# Altium PCB DD2090_4CAM_FFC.PcbDoc (part 1 of 4)
Units mm, origin at the board's own origin, x right, y up, seen from the top; angles counter-clockwise.
Board outline 65 x 38 mm, 6 copper layers (Top Copper, Layer 1, Layer 2, Layer 3, Layer 4, Bottom Layer), stack 1.578 mm thick; 177 components, 156 nets, 914 pads, 584 vias.
Unrouted connection lines stored in the file: 16.
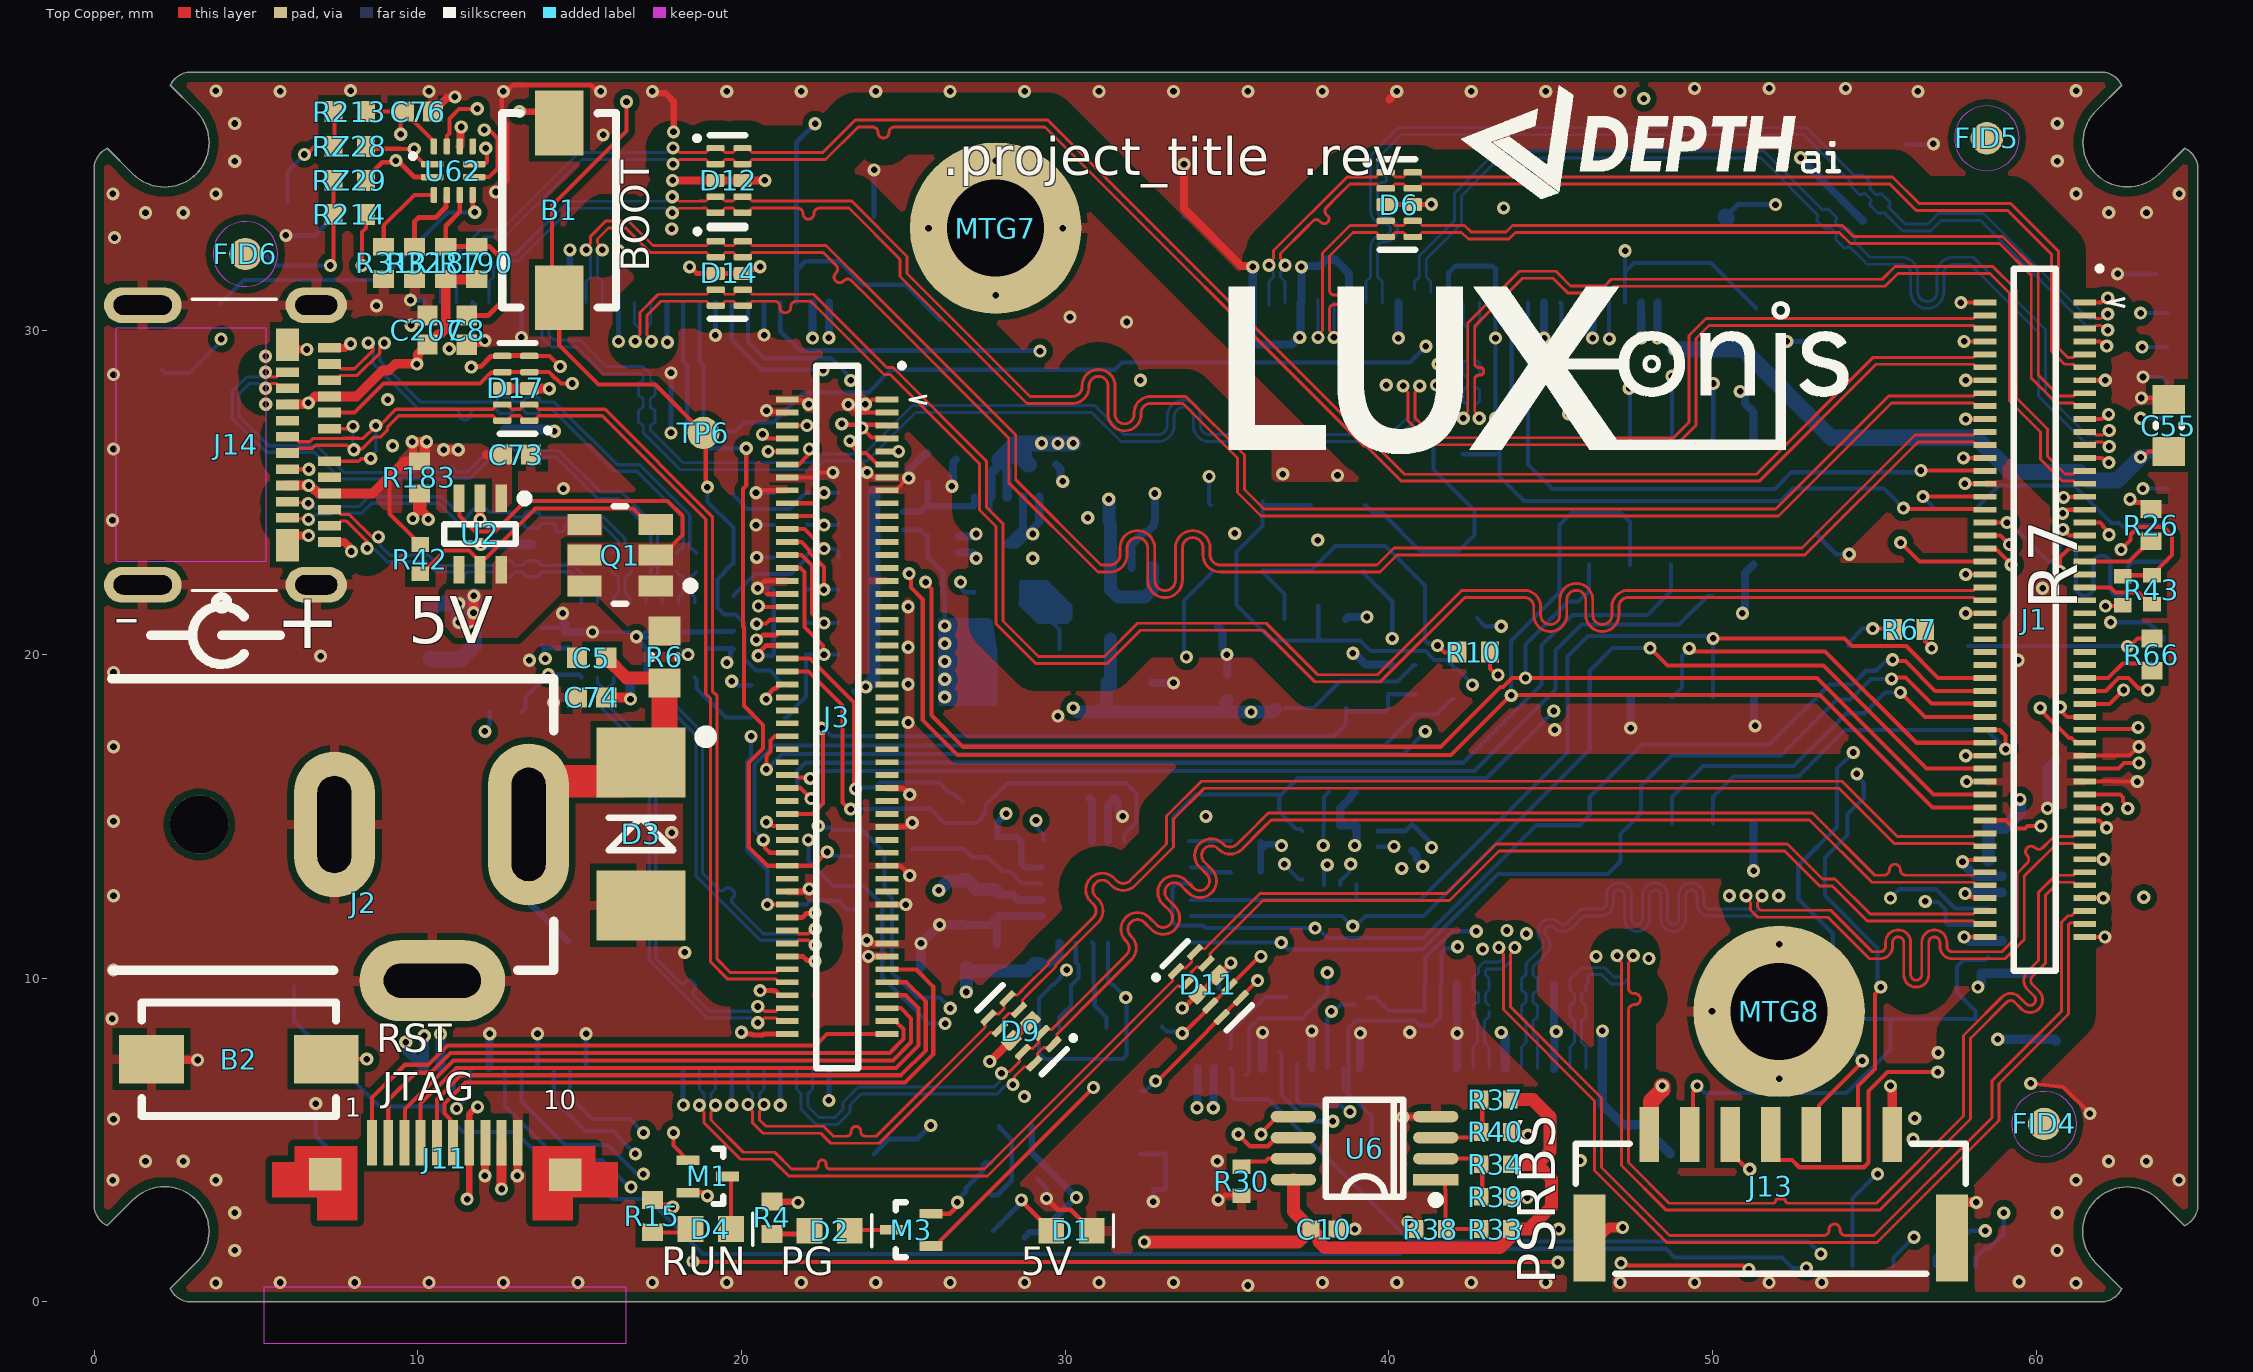
[diagram p0: Top Copper view]
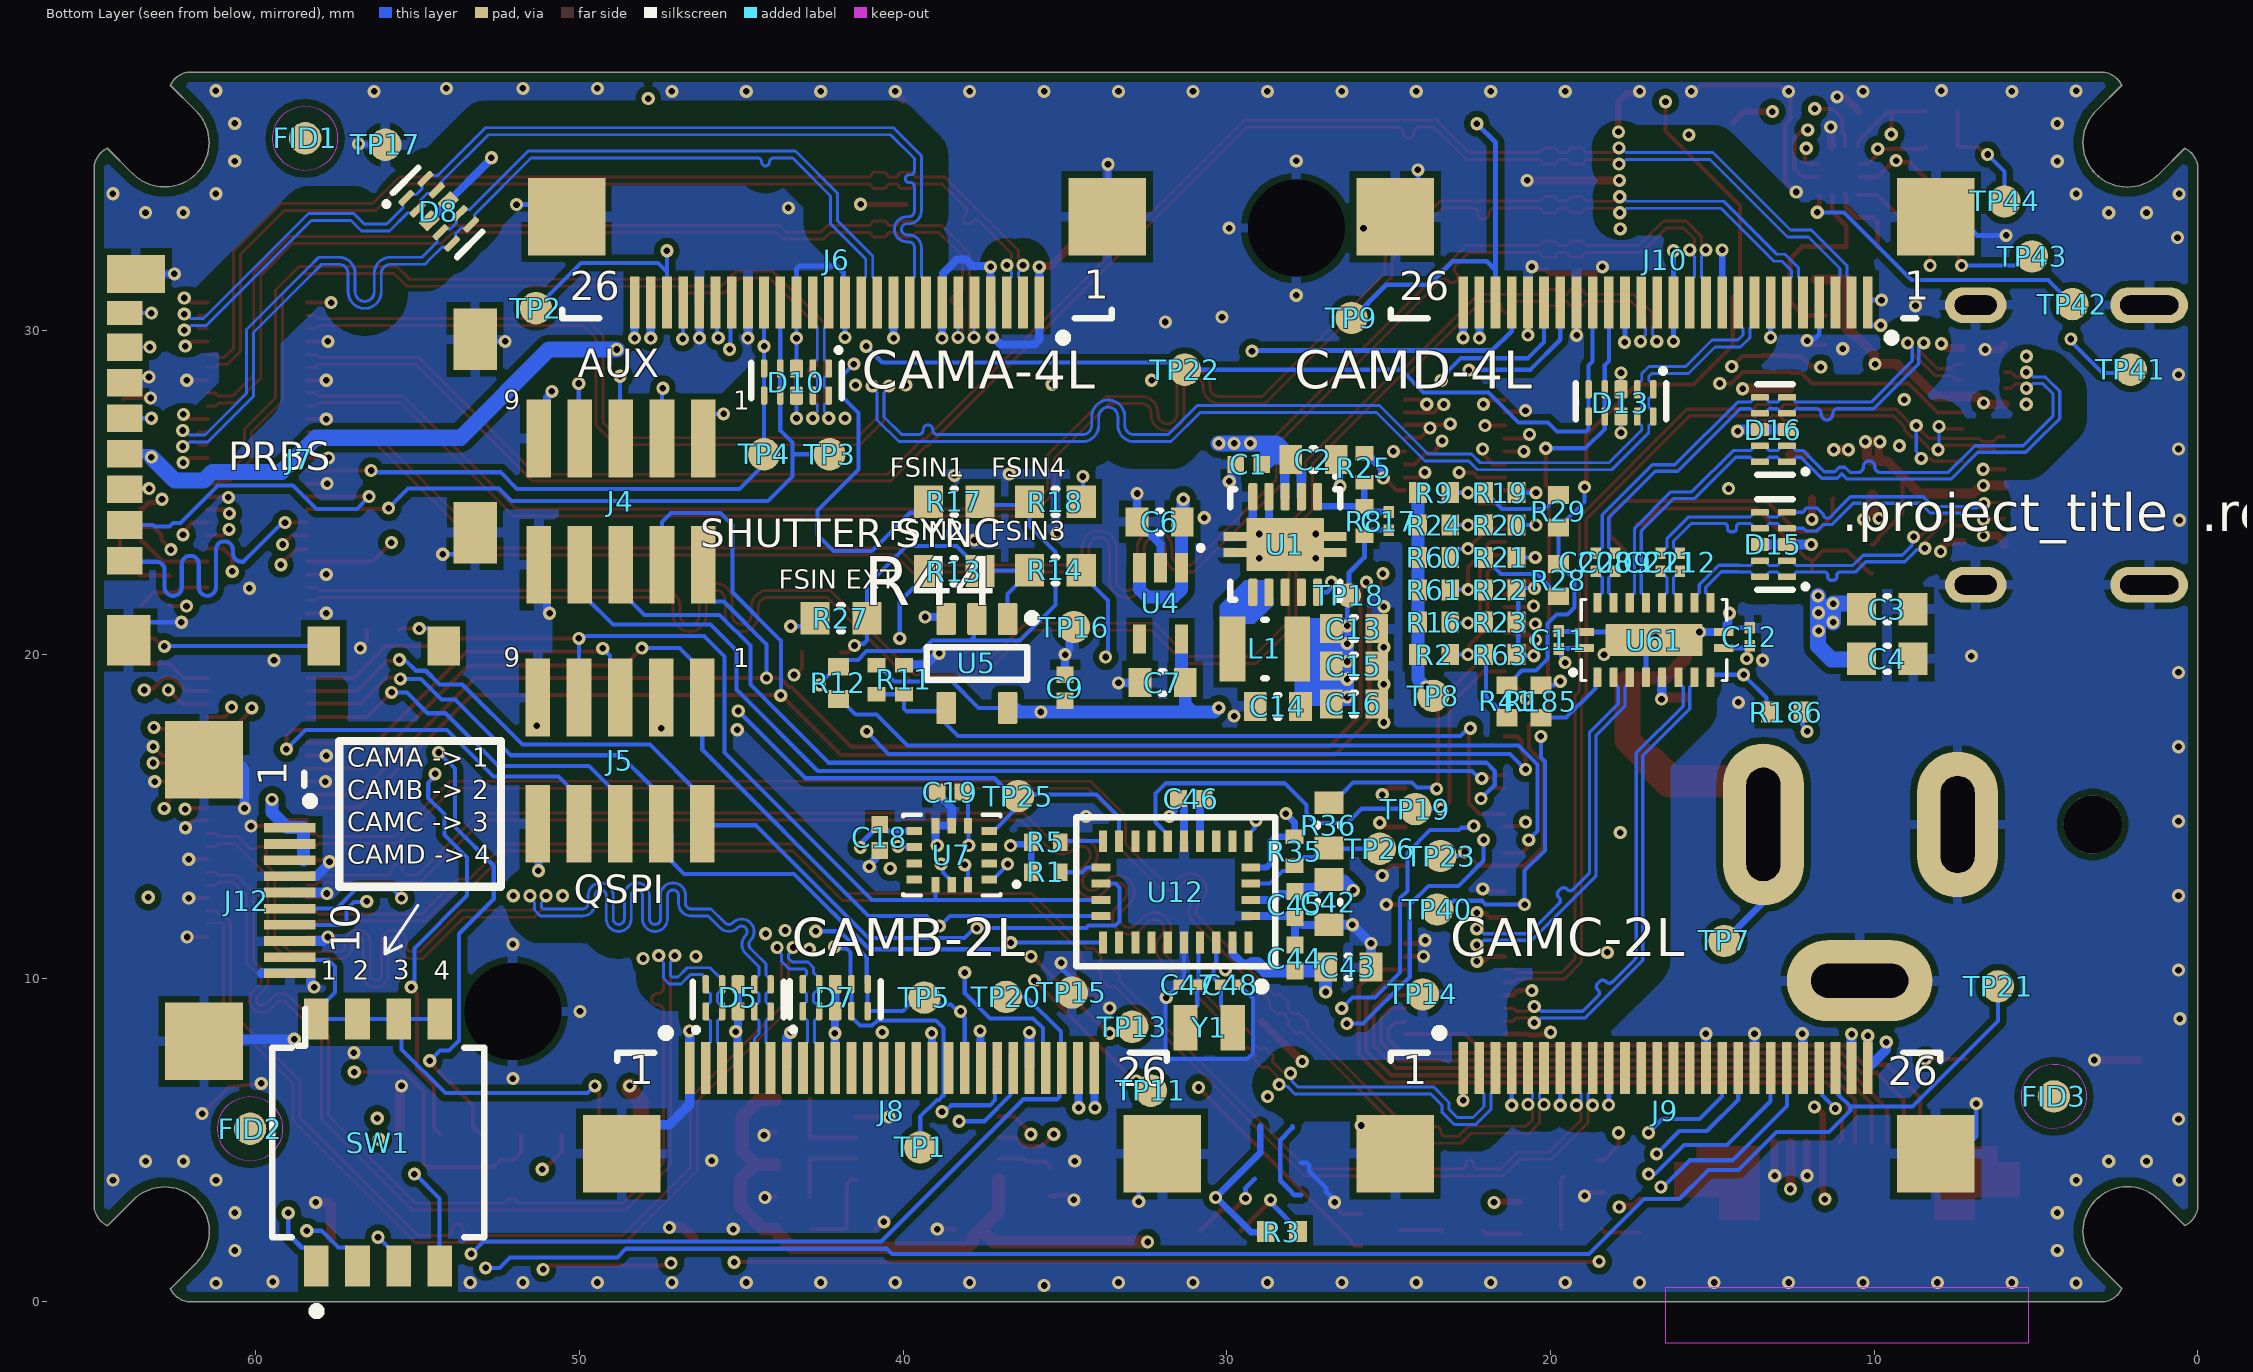
[diagram p1: Bottom Layer view, seen from below]
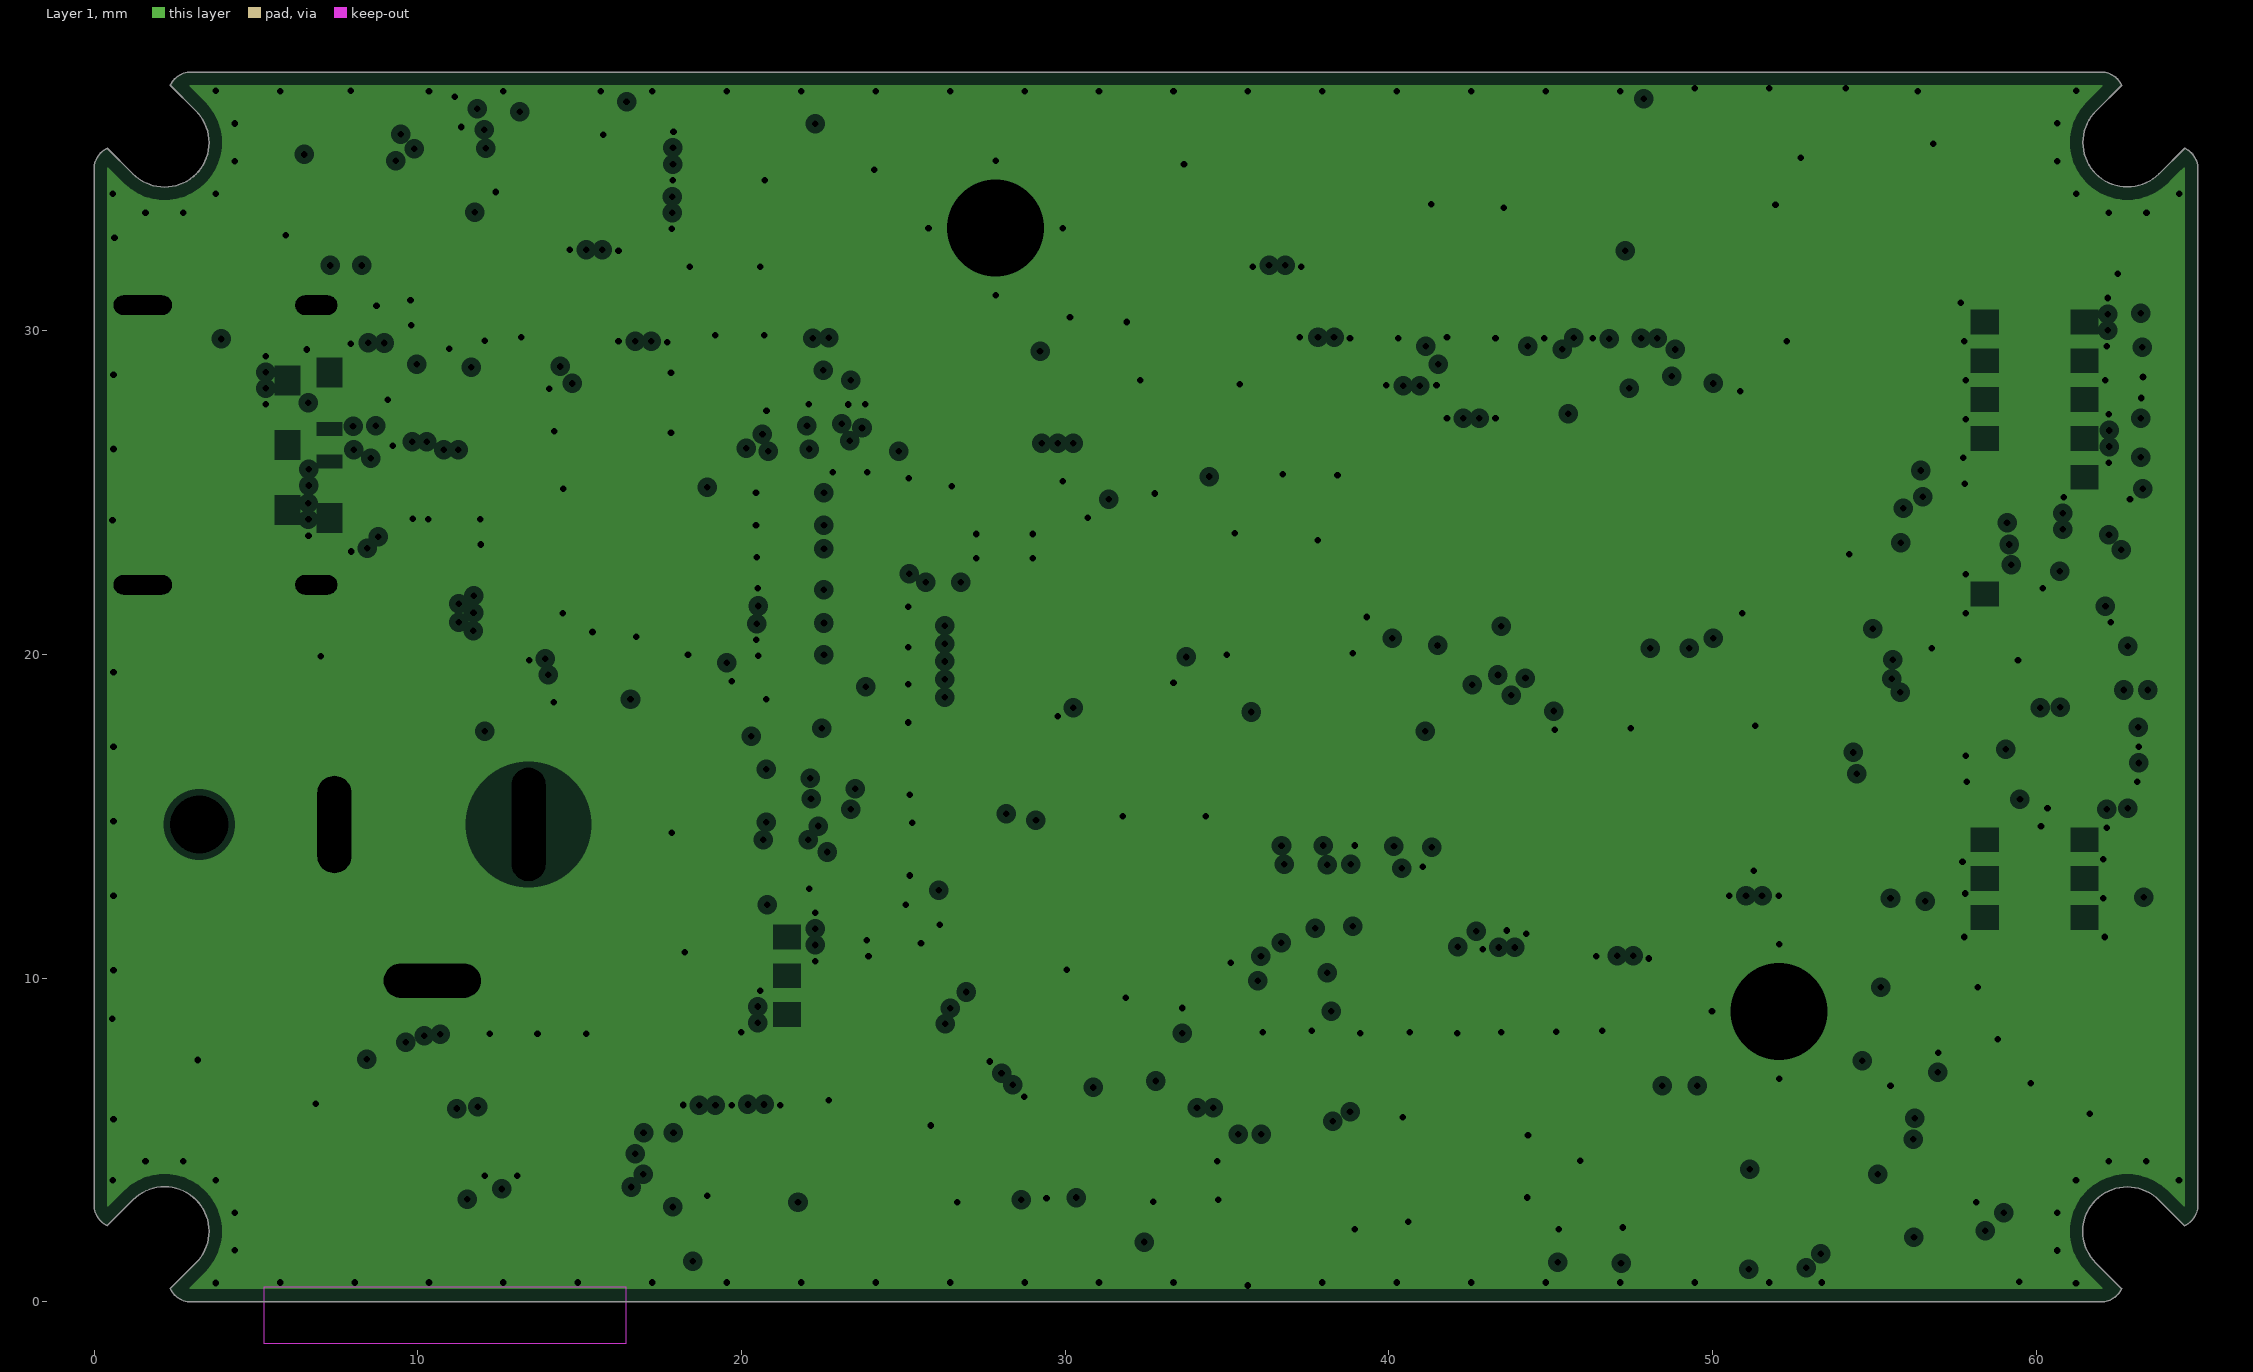
[diagram p2: Layer 1, clearances drawn from the general rule]
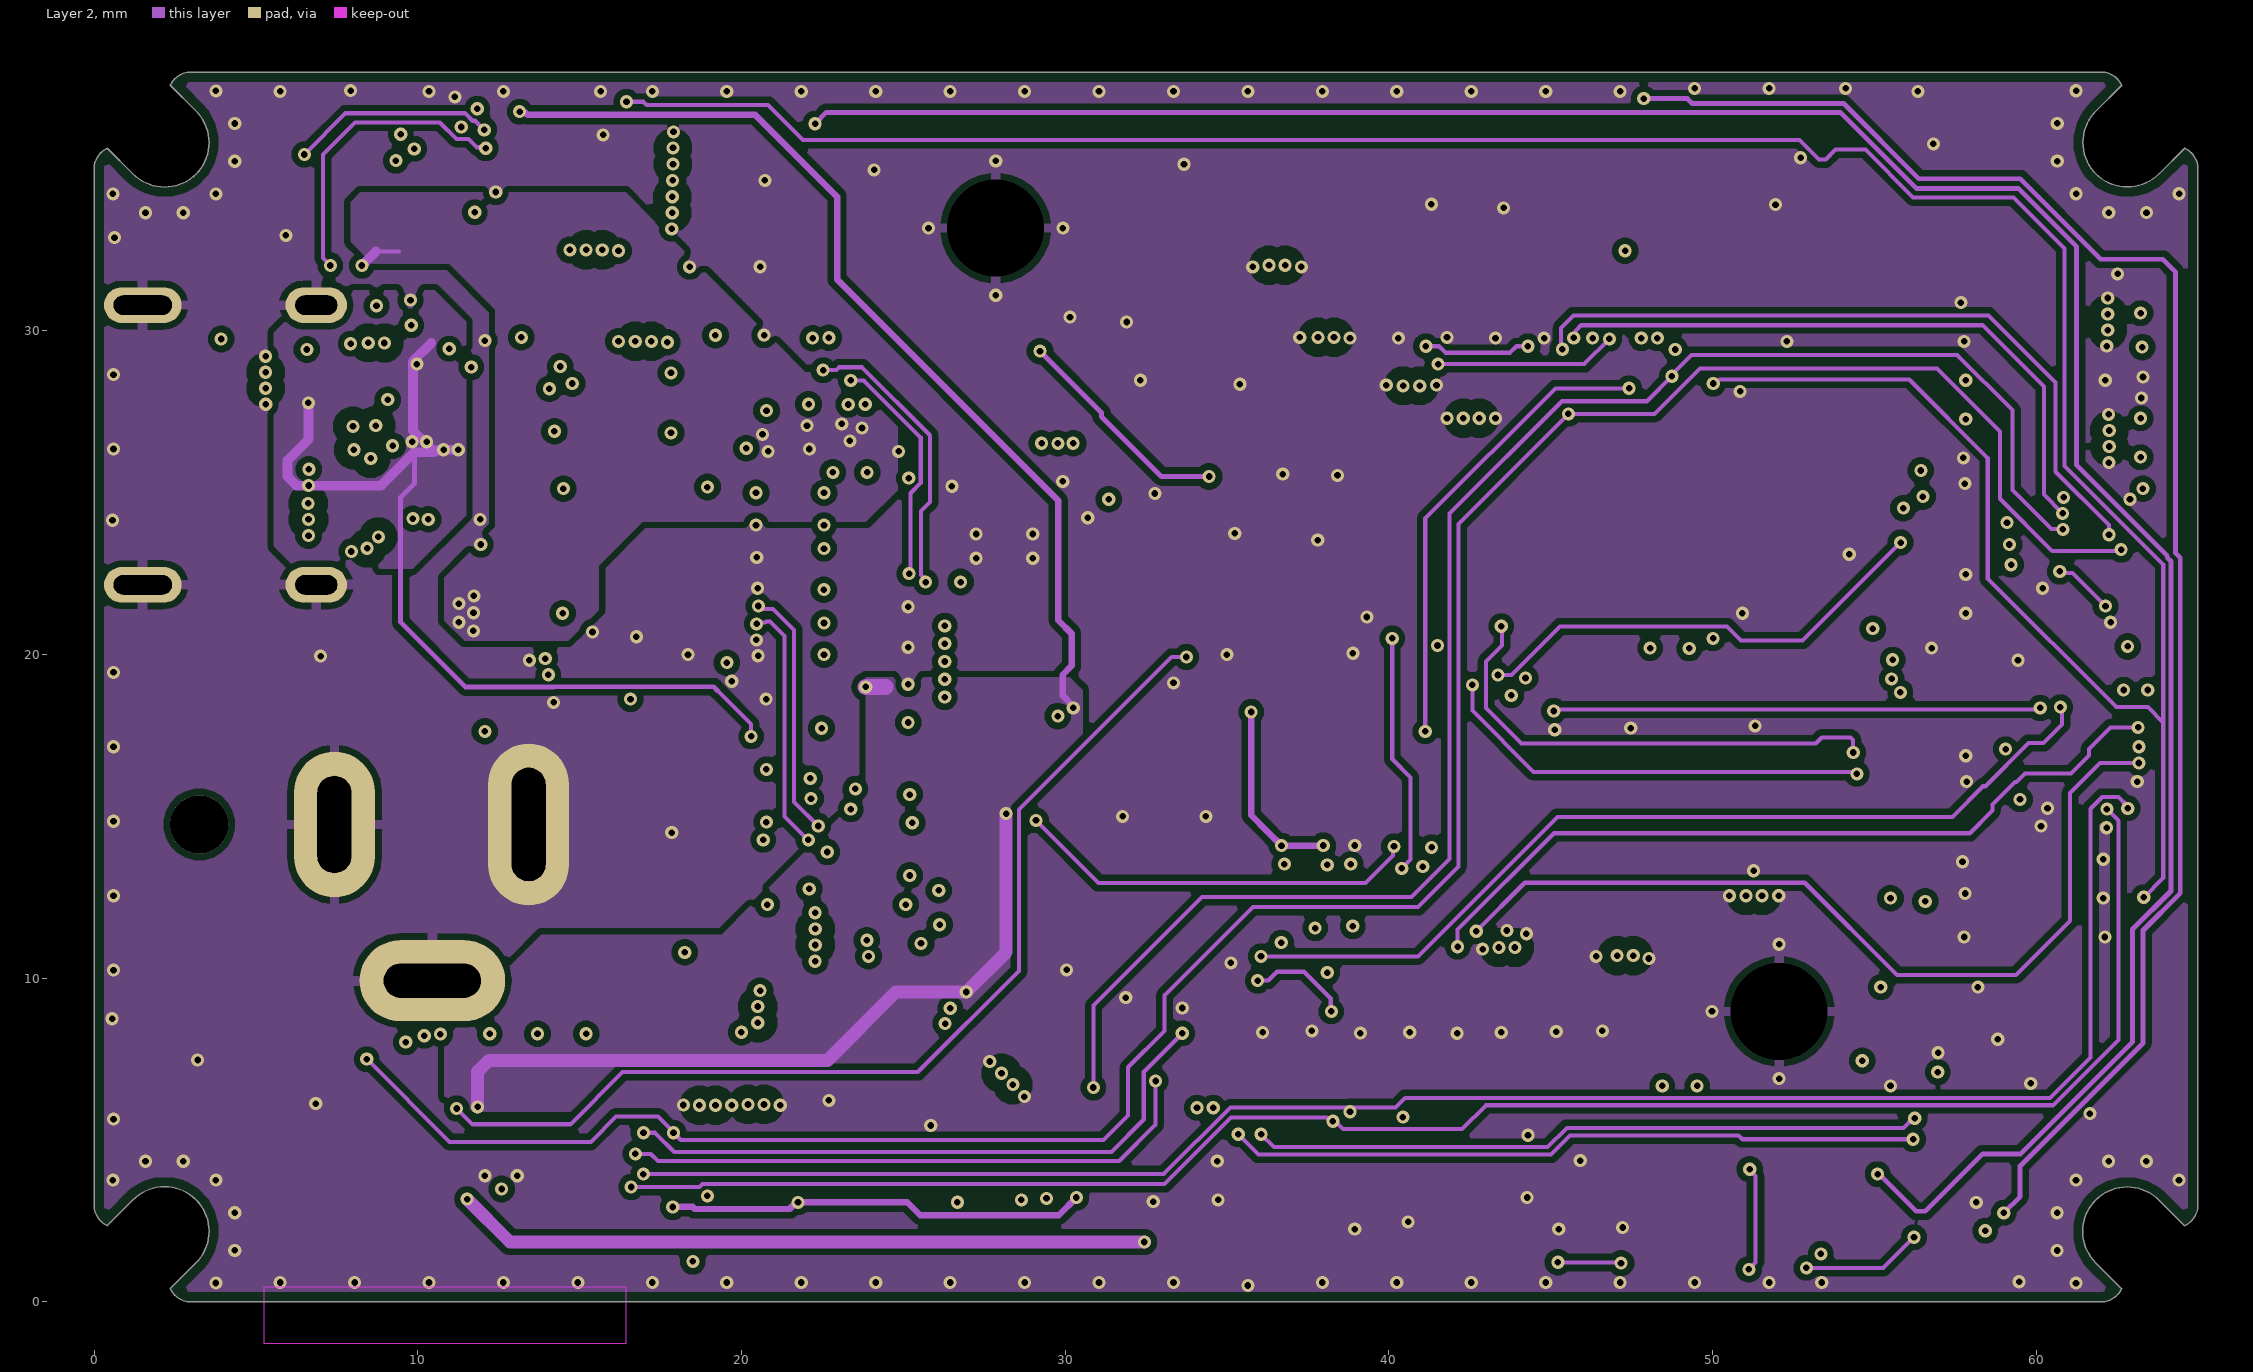
[diagram p3: Layer 2]